# Altium PCB LimeSDR_Mini_1v2_Rounded.PcbDoc (part 4 of 5)
Units mm, origin at the board's own origin, x right, y up, seen from the top; angles counter-clockwise.
Board outline 69 x 31.37 mm, 8 copper layers (Top, L2, L3, L4, L5, L6, L7, Bottom), stack 1.555 mm thick; 411 components, 285 nets, 1759 pads, 802 vias.
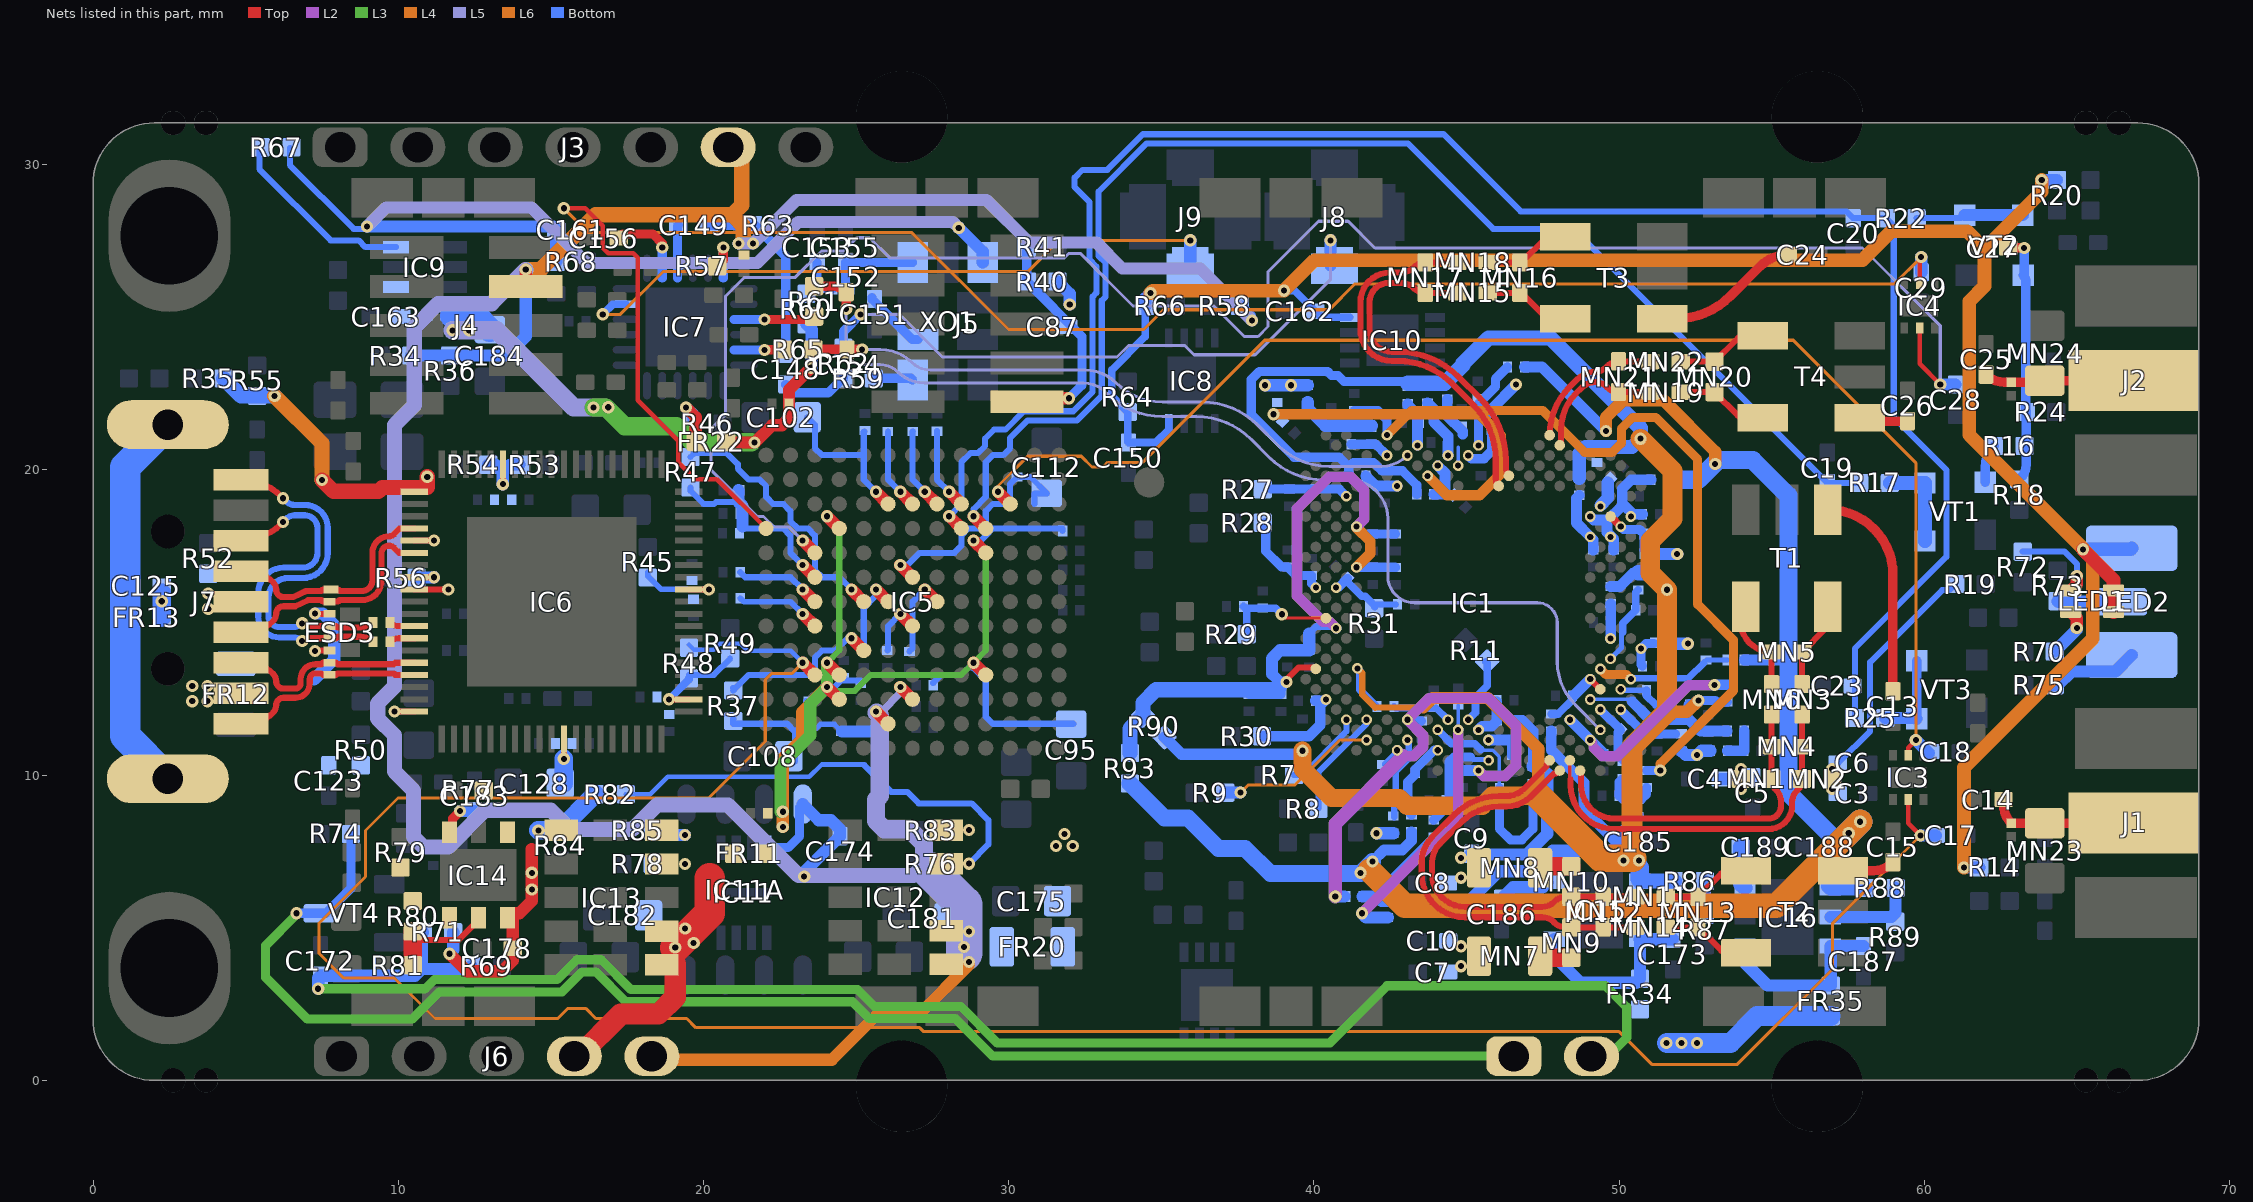
[diagram p10: the nets of this part, all layers, seen from the top]

## Via types
v1: diameter 0.4, hole 0.2, Top to Bottom, tented both sides, 569 vias
v2: diameter 0.4, hole 0.2, Top to Bottom, tented top, 112 vias
v3: diameter 0.35, hole 0.2, Top to Bottom, tented top, 79 vias
v4: diameter 0.5, hole 0.2, Top to Bottom, tented bottom, 25 vias
v5: diameter 0.35, hole 0.2, Top to Bottom, tented both sides, 9 vias
v6: diameter 0.5, hole 0.2, Top to Bottom, tented both sides, 8 vias

## Nets (pads, with @x,y where several pads share a name; then routed paths per layer and width w, separated by ;. In a path a pad name is that pad's centre, name@x,y a point inside that pad or via, vN(x,y) a via of type N, cw(c..) or ccw(c..) an arc to the next point about the centre after c; other vN are vias at no path point) (continued)
NetC27_2: C27.2 R16.1 R18.2 R24.2 VT2.2 | length 8.2
  Top w0.309: C27.2@62.75,27.275 v1(63.275,27.275)
  Bottom w0.309: R18.2@63.162,19.737 ccw(c62.74,20.16) 63.337,20.16 R24.2@63.337,21.937 ; VT2.2@63.25,26.375 cw(c63.069,26.194) VT2.2@63.275,26.346 ; v1(63.275,27.275) VT2.2@63.275,26.346 ; R24.2@63.325,21.9 63.325,26.194 ccw(c63.069,26.194) VT2.2@63.275,26.346
NetC30_1: C30.1 IC1.D24 R26.1 | length 2.7
  Bottom w0.22: R26.1@42.631,8.631 C30.1@42.631,9.146 ; C30.1@42.681,9.146 42.681,10.126 43.114,10.559 43.114,11.098 v3(43.062,11.15)
NetC31_1: C31.1 C32.1 IC1.W31 R31.2 | length 2.6
  Bottom w0.2: R31.2@42.001,15.521 42.076,15.596 C32.1@42.696,15.596
  Bottom w0.25: C31.1@41.099,16.448 41.099,16.343 41.575,15.866 41.681,15.866 42.001,15.546 R31.2@42.001,15.521
  Bottom w0.3: v3(40.731,16.145) 40.796,16.145 C31.1@41.099,16.448
NetC33_1: C33.1 C34.1 IC1.H32 R30.2 | length 3.2
  Bottom w0.35: R30.2@38.3,11.278 C33.1@39.625,11.278 39.841,11.278 40.206,11.642 40.206,12.29 40.357,12.441 C34.1@40.05,12.441
  other v5: 40.398,12.482
NetC35_1: C35.1 C36.1 IC1.T32 R29.2 | length 3.7
  Top w0.11: v1(38.951,15.271) 39.073,15.149 IC1.T32@40.395,15.149
  Bottom w0.25: C36.1@37.696,15.526 C36.1@37.747,15.475 ; R29.2@37.801,14.671 37.801,15.421 C36.1@37.747,15.475 ; v1(38.951,15.271) 38.747,15.475 C35.1@38.325,15.475 C36.1@37.747,15.475
NetC37_1: C37.1 C38.1 IC1.W33 R28.2 | length 3.2
  Bottom w0.3: R28.2@38.422,18.275 38.422,17.341 38.938,16.825 39.142,16.825 C38.1@39.146,16.821 39.426,16.541 C37.1@39.926,16.541 39.926,16.284 v3(40.065,16.145)
NetC39_1: C39.1 C40.1 IC1.AH30 R27.2 | length 2.6
  Bottom w0.3: R27.2@38.601,19.371 40.835,19.371 v3(41.064,19.142)
NetC41_1: C41.1 FR1.1 IC1.G3 | length 2.1
  Bottom w0.3: v3(50.055,12.149) 50.055,12.134 50.837,11.351 51.851,11.351
NetC42_1: C42.1 FR8.1 IC1.E21 | length 7.6
  Bottom w0.11: 45.472,10.84 45.498,10.814 45.863,10.814 46.08,10.597 ; 46.056,10.621 46.08,10.597 ; C42.1@46.08,9.575 46.08,10.597
  Bottom w0.25: v3(44.061,11.483) 44.509,11.034 45.278,11.034 45.472,10.84
  Bottom w0.3: C42.1@46.08,9.575 46.08,8.244 46.444,7.88 46.816,7.88 47.175,8.239 FR8.1@47.175,9.72
NetC43_1: C43.1 FR7.1 IC1.D16 | length 1.3
  Bottom w0.35: v3(45.725,11.153) FR7.1@46.603,11.153 ; C43.1@46.503,10.657 FR7.1@46.503,11.078
NetC44_1: C44.1 FR6.1 IC1.E17 | length 1.4
  Bottom w0.35: v3(45.393,11.483) 45.513,11.603 45.828,11.603 45.995,11.77 C44.1@45.995,12.4
NetC45_1: C45.1 FR5.1 IC1.AK22 | length 11.9
  L6 w0.35: v1(38.675,21.825) 45.425,21.825 46.125,21.125 46.125,19.875 45.425,19.175 44.361,19.175 v3(43.728,19.808)
NetC46_1: C46.1 FR4.1 IC1.AM18 | length 1.6
  Bottom w0.31: v3(45.06,20.474) 45.163,20.371 45.576,20.371 45.826,20.621 FR4.1@45.826,21.266
NetC47_1: C47.1 FR3.2 IC1.AE3 IC1.AF4 | length 1.9
  Top w0.25: IC1.AF4@49.722,18.476 v3(50.055,18.143)
  Bottom w0.3: v3(50.055,18.143) 50.148,18.05 50.67,18.05 C47.1@50.82,17.9 FR3.2@50.82,17.375
NetC48_1: C48.1 FR2.2 IC1.N1 | length 1.1
  Bottom w0.3: C48.1@50.771,13.571 50.721,13.621 v3(50.721,14.147) 50.883,14.309 FR2.2@51.144,14.309
NetC49_1: C49.1 FR10.1 IC1.AM26 | length 1.3
  Bottom w0.3: C49.1@41.226,20.841 FR10.1@41.876,20.841 42.029,20.841 v3(42.396,20.474)
NetC50_1: C50.1 FR9.2 IC1.H6 | length 4.9
  Bottom w0.11: v3(49.056,12.482) 50.358,12.482 50.432,12.408
  Bottom w0.35: 50.432,12.408 51.015,11.825 52.295,11.825 52.67,11.45 FR9.2@53.545,11.45
NetC51_1: C51.1 FR10.2 R33.2 | length 2.5
  Bottom w0.4: R33.2@39.801,22.216 39.801,22.021 40.371,21.451 FR10.2@41.901,21.451
NetC52_1: C52.1 FR9.1 R32.1 | length 1.2
  Bottom w0.35: R32.1@53.555,10.8 C52.1@54.095,10.8 54.105,10.81 FR9.1@54.105,11.45
NetC53_1: C53.1 C54.1 C60.1 C61.1 C62.1 C63.1 C64.1 C65.1 IC1.AA29 IC1.AE29 IC1.L33 IC1.R31 R90.2 R93.2 | length 26.4
  Top w0.2: v1(39.1,13.053) 39.1,13.128 39.495,13.523 40.065,13.523 IC1.L33@40.065,13.481
  L2 w0.35: v3(40.731,14.813) 40.519,15.025 40.3,15.025 39.45,15.875 39.45,18.725 40.5,19.775 41.2,19.775 41.65,19.325 41.65,18.396 v3(41.397,18.143)
  L4 w0.35: v3(41.397,16.811) 41.847,17.261 41.847,17.663 41.397,18.113 v3(41.397,18.143)
  Bottom w0.23: 39.851,14.646 40.075,14.87 40.674,14.87 v3(40.731,14.813)
  Bottom w0.3: C60.1@37.875,12.653 C60.1@37.875,12.653 C61.1@38.926,12.651 38.926,12.879 v1(39.1,13.053) ; v3(41.397,16.811) 42.666,16.811 C65.1@42.676,16.801 ; v3(41.397,18.143) 41.639,17.901 C54.1@42.676,17.901
  Bottom w0.37: 38.625,13.315 38.887,13.053 v1(39.1,13.053)
  Bottom w0.4: 38.625,13.315 38.625,13.825 38.894,14.094 C63.1@39.851,14.094 39.851,14.646 ; C61.1@38.822,12.775 38.926,12.879
  Bottom w0.5: R93.2@33.975,10.725 33.975,11.525 R90.2@34.4,11.95 34.4,12.372 34.828,12.8 38.797,12.8 C61.1@38.822,12.775
NetC55_1: C55.1 C56.1 C57.1 FR44.1 IC1.A17 IC1.C25 IC1.F24 | length 16.6
  L2 w0.35: v3(42.729,10.817) 42.921,10.625 43.275,10.625 43.575,10.925 43.575,11.303 v3(43.062,11.816) ; v3(43.062,11.816) 43.772,12.525 45.725,12.525 46.625,11.625 46.625,10.325 46.275,9.975 45.569,9.975 v3(45.393,10.151)
  L2 w0.45: v1(40.7,6.025) 40.7,8.404 42.921,10.625
  Bottom w0.25: C57.1@42.351,10.351 42.729,10.729 v3(42.729,10.817)
  Bottom w0.3: v3(43.062,11.816) 43.098,11.78 C56.1@43.525,11.78
  Bottom w0.35: C55.1@44.879,10.151 v3(45.393,10.151)
  Bottom w0.4: v1(40.7,6.025) FR44.1@40.995,6.025
NetC58_2: C58.2 FR43.1 IC1.M4 | length 2.6
  Bottom w0.17: v3(49.722,13.814) 50.085,14.177 50.085,14.685 50.105,14.705
  Bottom w0.25: 50.125,14.685 50.125,14.98 C58.2@50.545,15.4 50.545,15.99 FR43.1@50.625,16.07
NetC59_1: C59.1 FR23.1 IC1.AL21 | length 1.4
  Bottom w0.35: FR23.1@43.93,19.2 44.3,19.2 44.3,19.902 v3(44.061,20.141)
NetC66_1: C66.1 FR37.1 IC1.P4 | length 1.1
  Bottom w0.35: v3(49.722,14.48) 49.725,14.483 C66.1@49.725,15 FR37.1@49.725,15.62
NetC67_1: C67.1 FR45.1 IC1.D6 IC1.F8 | length 7.3
  L2 w0.3: v3(49.056,11.15) 49.148,11.058 49.148,10.927 49.175,10.9
  L2 w0.35: 49.175,10.9 49.45,10.625 49.95,10.625 52.275,12.95 v1(53.125,12.95)
  Bottom w0.35: v3(48.39,11.816) v3(49.056,11.15) 49.474,10.732 C67.1@49.474,10.7 ; v1(53.125,12.95) 53.135,12.96 FR45.1@53.55,12.96
NetC68_1: C68.1 FR29.1 IC1.B16 | length 3.6
  Bottom w0.17: 45.125,10.6 45.214,10.511 45.699,10.511 v3(45.726,10.484)
  Bottom w0.2: v3(45.726,10.484) v3@45.768,10.442
  Bottom w0.3: FR29.1@43.925,8.53 44.43,9.035 44.43,9.175 44.43,10.435 44.595,10.6 45.125,10.6
NetC69_1: C69.1 FR28.1 IC1.E19 | length 9
  L2 w0.35: v1(41.575,5.475) 44.727,8.627 v3(44.727,11.483)
  Bottom w0.11: v3(44.727,11.483) C69.1@44.727,12.296
  Bottom w0.4: v1(41.575,5.475) 41.71,5.34 FR28.1@42.421,5.34
NetC70_2: C70.2 FR42.1 IC1.F20 | length 1.9
  Bottom w0.23: FR42.1@42.63,12.25 42.674,12.206 44.004,12.206 v3(44.394,11.816)
NetC71_1: C71.1 FR41.1 IC1.AJ25 | length 1.2
  Bottom w0.35: FR41.1@41.705,19.8 42.03,19.475 v5(42.729,19.475)
NetC72_1: C72.1 IC1.AP26 R92.1 | length 26.2
  L4 w0.3: v3(42.396,21.14) 43.206,21.95 47.5,21.95 48.875,20.575 49.775,20.575 50.075,20.875 50.075,21.35 50.45,21.725 51.2,21.725 52.575,20.35 52.575,15.6 53.75,14.425 53.75,12.775 51.35,10.375 v1(51.35,10.15)
  Bottom w0.3: C72.1@41.326,21.941 42.101,21.941 42.396,21.646 v3(42.396,21.14) ; R92.1@50.905,10.15 v1(51.35,10.15)
NetC73_1: C73.1 FR40.1 IC1.AN23 | length 1.5
  Bottom w0.35: FR40.1@43.075,22.17 43.075,22.131 43.395,21.811 v3(43.395,20.807)
NetC74_1: C74.1 FR26.1 IC1.AM20 | length 2
  Bottom w0.35: FR26.1@43.725,22.195 43.925,21.995 43.925,21.575 44.4,21.1 C74.1@44.4,20.903 ; v3(44.394,20.474) 44.394,20.901 C74.1@44.396,20.903
NetC75_1: C75.1 FR39.1 IC1.AL19 | length 2
  Bottom w0.11: v3(44.727,20.141) 44.726,20.746
  Bottom w0.35: FR39.1@44.375,22.32 44.375,21.766 44.876,21.265 44.876,21.17
NetC76_1: C76.1 FR38.1 IC1.AG5 | length 0.8
  Bottom w0.4: v3@49.389,18.834 49.633,19.078 49.633,19.58
  other v3: 49.389,18.809
NetC77_2: C77.2 FR25.1 IC1.AD6 | length 2.1
  Bottom w0.35: FR25.1@48.7,19.17 48.606,19.076 48.606,18.26 v3(49.056,17.81) 49.15,17.716 C77.2@49.15,17.38
NetC78_1: C78.1 FR36.1 IC1.J3 | length 2
  Bottom w0.18: v3(50.055,12.815) 50.092,12.778 C78.1@50.898,12.778
  Bottom w0.25: C78.1@50.898,12.778 50.898,12.602 51.2,12.3 FR36.1@51.745,12.3
NetC79_2: C79.2 FR24.1 IC1.J5 IC1.K6 | length 2.3
  Top w0.2: v3(49.056,13.148) IC1.J5@49.389,12.815
  Bottom w0.25: FR24.1@47.775,12.005 48.005,12.005 48.475,12.475 C79.2@48.475,12.6
  Bottom w0.35: C79.2@48.475,12.6 48.508,12.6 v3(49.056,13.148)
NetC80_1: C80.1 IC1.G5 R91.1 | length 2
  Bottom w0.3: v3(49.389,12.149) C80.1@50.053,11.485 49.969,11.401 49.969,10.661 R91.1@50.125,10.505
NetC81_1: C81.1 FR30.1 IC1.K2 IC1.L5 | length 4.5
  L6 w0.3: v3(49.389,13.481) 49.57,13.3 50.236,13.3 v3(50.388,13.148)
  Bottom w0.17: C81.1@52.795,13.695 52.875,13.775 FR30.1@53.545,13.775
  Bottom w0.2: v3(50.388,13.148) v3@50.393,13.153
  Bottom w0.22: v3@50.393,13.178 52.278,13.178 C81.1@52.795,13.695
NetC82_1: C82.1 FR33.1 IC1.C21 | length 2.6
  Bottom w0.3: FR33.1@43.2,8.705 43.075,8.83 43.075,9.775 43.32,10.02 C82.1@43.32,10.075 43.32,10.194 43.943,10.817 v3(44.061,10.817)
NetC83_1: C83.1 C84.1 C85.1 FR32.1 IC1.AD4 IC1.AF2 IC1.AF6 | length 4.8
  Bottom w0.35: v3(49.056,18.476) 49.173,18.359 49.635,18.359 ; C85.1@49.825,17.38 49.825,17.737 49.605,17.957 49.605,18.329 49.635,18.359 ; C84.1@50.77,18.55 50.462,18.55 50.18,18.832 50.108,18.832 ; FR32.1@51.045,19.675 50.4,19.675 50.108,19.383 C83.1@50.108,19.142 50.108,18.832 ; 49.635,18.359 50.108,18.832
  other v3: 49.722,17.81 50.388,18.476
NetC86_1: C86.1 FR31.1 IC1.AN17 | length 3
  Bottom w0.3: v3(45.393,20.807) 45.393,22.169 45.95,22.726 45.95,22.98 FR31.1@46.345,23.375
NetC87_2: C87.2 J5.10 R40.2 R41.2 | length 7.3
  Top w0.4: J5.10@30.6,22.2 30.75,22.35 v1(31.975,22.35)
  Bottom w0.3: R41.2@30.594,27.291 30.594,26.181 R40.2@30.6,26.175 32.4,24.375 32.4,22.775 v1(31.975,22.35)
NetC125_1: C125.1 FR13.2 J7.10 | length 12.8
  Bottom w1: J7.10@2.45,9.885 1.05,11.285 1.05,20.085 J7.10@2.45,21.485
NetC148_1: C148.1 C149.2 R63.2 | length 6.1
  Bottom w0.309: C149.2@20.175,28.025 R63.2@21.625,28.025 21.668,28.025 22.7,26.993 C148.1@22.7,23.8
NetC148_2: C148.2 R59.2 R62.2 | length 2.2
  Bottom w0.309: C148.2@22.7,22.8 22.975,22.525 24.09,22.525 24.568,23.003 R62.2@24.588,23.003
NetC149_1: C149.1 IC7.21 | length 1.8
  Bottom w0.3: IC7.21@19.15,26.285 IC7.21@19.15,26.61 19.15,28 C149.1@19.175,28.025
NetC151_2: C151.2 XO1.7 | length 2.1
  Bottom w0.3: C151.2@25.525,25.65 25.525,25.596 26.846,24.275 XO1.7@27.025,24.275
NetC153_2: C153.2 FR15.1 R60.1 | length 1.4
  Bottom w0.3: C153.2@23.725,26.8 23.725,25.95 FR15.1@24.245,25.95
NetC155_2: C155.2 FR15.2 XO1.9 | length 3.1
  Bottom w0.3: FR15.2@24.805,25.95 24.65,26.105 C155.2@24.65,26.8 XO1.9@26.85,26.8
NetC156_2: C156.2 IC7.20 | length 2.7
  Top w0.3: C156.2@17.225,27.6 17.36,27.735 18.336,27.735 18.65,27.421 v1(18.65,27.285)
  Bottom w0.3: IC7.20@18.65,26.285 IC7.20@18.65,26.61 v1(18.65,27.285)
NetC163_1: C163.1 FR17.2 IC9.4
NetC172_1: C172.1 J10.2 R69.2 R71.2 | length 54.6
  L3 w0.3: v1(7.375,3) 10.884,3 11.184,3.3 15.2,3.3 15.85,3.95 16.65,3.95 17.625,2.975 25.05,2.975 25.6,2.425 28.425,2.425 29.625,1.225 40.525,1.225 42.4,3.1 49.55,3.1 50.25,2.4 50.25,1.4 49.645,0.795 J10.2@49.096,0.795
  Bottom w0.4: v1(7.375,3) 7.375,3.35 C172.1@7.45,3.425 10.545,3.425 10.77,3.65 ; R71.2@10.8,4.85 10.77,4.82 10.77,3.65 ; R69.2@12.4,3.75 12.3,3.65 10.77,3.65
NetC173_2: C173.2 FR34.2 IC15.1 IC15.6 | length 6
  Bottom w0.4: IC15.1@47.875,4.625 47.875,4.067 48.742,3.2 FR34.2@50.556,3.2 ; FR34.2@50.686,3.33 50.686,4.614 IC15.6@50.675,4.625 51.756,4.625 C173.2@51.761,4.63
NetC183_2: C183.2 IC14.3 | length 1.3
  Top w0.3: IC14.3@11.675,8.125 11.775,8.225 11.775,8.575 v1(12.025,8.825)
  Bottom w0.4: v1(12.025,8.825) C183.2@12.5,8.825
NetC186_2: C186.2 IC15.3 | length 1.7
  Bottom w0.4: C186.2@46.15,5.95 46.525,6.325 47.5,6.325 IC15.3@47.65,6.475
NetC187_2: C187.2 FR35.2 IC16.1 IC16.6 | length 6.1
  Bottom w0.4: IC16.1@54.125,4.4 54.125,3.842 54.861,3.105 FR35.2@56.936,3.105 56.936,4.389 IC16.6@56.925,4.4 C187.2@58.006,4.4 C187.2@58.011,4.405
NetC189_2: C189.2 IC16.3 | length 1.4
  Bottom w0.5: C189.2@53.986,7.655 53.986,6.438 IC16.3@54.125,6.3
NetC190_2: C190.2 FR27.1 R91.2 R92.2 | length 1.9
  Bottom w0.3: R91.2@50.125,9.895 50.005,9.775 C190.2@50.005,9.325 50.125,9.205 FR27.1@50.625,9.205 50.73,9.205 50.9,9.375 R92.2@50.9,9.595
NetIC1_D28: IC1.D28 R9.1 | length 5.3
  L4 w0.1: v1(37.6,9.428) 37.847,9.675 39.375,9.675 40.85,11.15 v3(41.73,11.15)
  Bottom w0.4: R9.1@37.1,9.428 v1(37.6,9.428)
NetIC1_F18: IC1.F18 R11.1 | length 2.2
  Bottom w0.25: v3(45.06,11.816) 45.298,12.054 45.298,12.551 45.681,12.934 45.681,13.666 R11.1@45.63,13.718
NetIC1_F28: IC1.F28 R8.1 | length 3.6
  Bottom w0.2: R8.1@40.15,8.903 40.15,10.1 41.73,11.68 v3(41.73,11.816)
NetIC1_F30: IC1.F30 R7.1 | length 2.7
  Bottom w0.2: R7.1@39.35,10.003 39.628,10.003 41.064,11.439 v3(41.064,11.816)
NetIC5_E5: IC5.E5 R37.2 | length 5.4
  Top w0.4: v2(24.85,14.485) IC5.E5@25.25,14.085
  Bottom w0.2: R37.2@20.975,12.775 21.484,13.285 23.416,13.285 23.65,13.519 23.65,13.851 23.884,14.085 24.322,14.085 24.722,14.485 v2(24.85,14.485) ; R37.2@20.975,12.85 R37.2@21.012,12.813
NetIC5_E7: IC5.E7 R47.2 | length 8.9
  Top w0.4: v2(24.85,16.085) IC5.E7@25.25,15.685
  Bottom w0.2: R47.2@19.575,20.425 19.7,20.55 20.766,20.55 21.125,20.191 21.125,20.044 21.484,19.685 21.84,19.685 22.05,19.475 22.05,19.119 22.284,18.885 22.616,18.885 22.85,18.651 22.85,18.319 23.084,18.085 23.416,18.085 23.65,17.851 23.65,16.719 23.884,16.485 24.45,16.485 v2(24.85,16.085)
NetIC6_27: IC6.27 R56.2 | length 1.2
  Top w0.2: IC6.27@10.525,16.485 v1(11.175,16.485)
  Bottom w0.4: R56.2@10.6,16.475 11.165,16.475 v1(11.175,16.485)
NetIC7_3: IC7.3 R61.2 | length 2.6
  Top w0.3: v1(22,24.935) 23.408,24.935 ccw(c23.408,25.242) R61.2@23.625,25.025
  Bottom w0.3: IC7.3@21,24.935 IC7.3@21.325,24.935 v1(22,24.935)
NetIC7_5: IC7.5 R65.2 | length 1.6
  Top w0.309: v1(22,23.935) 22.564,23.935 ccw(c22.564,23.986) R65.2@22.6,23.95
  Bottom w0.3: IC7.5@21,23.935 IC7.5@21.325,23.935 v1(22,23.935)
NetIC7_24: IC7.24 R57.1 | length 1.7
  Top w0.3: R57.1@20.45,26.675 20.65,26.875 v1(20.65,27.285)
  Bottom w0.3: IC7.24@20.65,26.285 IC7.24@20.65,26.61 v1(20.65,27.285)
NetIC9_6: IC9.6 R67.2 | length 6.2
  Bottom w0.2: R67.2@5.45,30.55 5.45,29.859 7.784,27.525 8.7,27.525 8.925,27.3 IC9.6@9.925,27.3
NetIC12_11: IC12.11 R83.2
  other v1: 28.701,8.2
NetIC13_1: IC13.1 R82.1 R84.2 | length 2.4
  Bottom w0.6: v1(14.588,8.19) 15.265,8.19 R82.1@16.45,9.375
NetIC13_10: IC13.10 R78.1
  other v1: 19.39,7.09
NetIC13_11: IC13.11 R85.2 | length 1.1
  Bottom w0.4: R85.2@18.339,8.19 18.489,8.04 v1(19.39,8.04)
NetIC14_4: IC14.4 R79.1 R80.2
NetIC14_5: IC14.5 R80.1 R81.1 | length 3.5
  Top w0.2: R80.1@10.6,4.6 11.984,4.6 12.625,5.241 IC14.5@12.625,5.325
  Top w0.6: R81.1@10.475,3.775 R80.1@10.475,4.875
NetIC15_5: IC15.5 R86.1 R87.2 | length 3
  Bottom w0.4: IC15.5@50.675,5.575 52.667,5.575 52.811,5.72 R86.1@52.811,6.53
NetIC16_5: IC16.5 R88.1 R89.2 | length 3
  Bottom w0.4: IC16.5@56.925,5.35 58.917,5.35 59.061,5.495 R88.1@59.061,6.305
NetJ7_7: J7.7 R52.2
  other v1: 3.775,15.45 3.775,15.95
NetJ10_1: J10.1 R74.2 VT4.D | length 49.6
  L3 w0.3: v1(6.661,5.475) 6.661,5.425 5.65,4.414 5.65,3.375 7.015,2.01 10.46,2.01 11.35,2.9 15.366,2.9 16.016,3.55 16.484,3.55 17.459,2.575 24.884,2.575 25.434,2.025 28.25,2.025 29.48,0.795 J10.1@46.554,0.795
  Bottom w0.3: v1@6.711,5.475 VT4.D@7.4,5.475 7.625,5.475 8.45,6.3 R74.2@8.45,8.075
NetLED1_3: LED1.3 R70.1 | length 1.7
  Top w0.4: LED1.3@64.8,15.35 65,15.15 v1(65,14.825)
  Bottom w0.4: R70.1@64.275,14.05 65,14.775 v1(65,14.825)
NetLED1_4: LED1.4 R72.1 | length 2.9
  Top w0.4: LED1.4@64.8,16.05 65,16.25 v1(65,16.525)
  Bottom w0.2: R72.1@63.225,17.325 64.598,17.325 65,16.923 v1(65,16.525)
NetLED2_C1: LED2.C1 R75.1 | length 3.1
  Bottom w0.4: R75.1@64.15,12.95 64.375,12.95 64.825,13.4 66.265,13.4 LED2.C1@66.8,13.935
NetLED2_C2: LED2.C2 R73.1 | length 1.9
  Bottom w0.4: R73.1@64.375,15.7 64.39,15.685 LED2.C2@66.3,15.685
NetMN7_1: MN7.1 MN9.2 | length 1
  Top w0.6: MN7.1@47.412,4.067 47.464,4.015 MN9.2@48.435,4.015
NetMN8_1: MN8.1 MN10.2 | length 1
  Top w0.6: MN8.1@47.412,6.967 47.46,7.015 MN10.2@48.435,7.015
NetR16_2: R16.2 VT1.2 | length 1.3
  Bottom w0.309: VT1.2@62,19.6 62,20.093 cw(c62.982,20.093) R16.2@62.287,20.787
NetR17_1: R17.1 VT1.3 VT1.4 | length 3
  Bottom w0.45: R17.1@58.875,19.575 VT1.3@60.025,19.575 VT1.4@60.025,17.675
NetR22_2: R22.2 VT2.3 VT2.4 | length 3.5
  Bottom w0.2: R22.2@59.75,28.25 61.225,28.25 VT2.4@61.325,28.35
  Bottom w0.4: VT2.4@61.325,28.35 VT2.3@63.225,28.35
NetR25_1: R25.1 VT3.3 VT3.4 | length 2.9
  Bottom w0.309: VT3.4@59.75,11.85 VT3.3@59.75,13.75
  Bottom w0.4: R25.1@58.725,11.875 59.725,11.875 VT3.4@59.75,11.85
NetR59_1: R59.1 XO1.6 | length 1.3
  Bottom w0.309: R59.1@25.575,23 26.8,23 XO1.6@26.85,22.95
PG_VCC1P8: IC12.10 R76.1 R82.2 | length 14.7
  Bottom w0.15: R82.2@17.45,9.375 18.25,9.375 18.825,9.95 23.47,9.95 23.87,10.35 25.25,10.35 25.275,10.325
  Bottom w0.2: 25.275,10.325 26.15,9.45 26.676,9.45 27.051,9.075 28.787,9.075 29.336,8.526 29.336,7.735 v1(28.701,7.1)
REF_CLK_IN: J8.1 R62.1 | length 20.7
  L5 w0.1: v1(25.15,25.1) 26.425,25.1 27.825,23.7 33.55,23.7 33.925,24.075 35.775,24.075 36.075,23.775 38.075,23.775 40.55,26.25 v1(40.55,27.525)
  Bottom w0.3: R62.1@24.588,24.002 24.588,24.538 v1(25.15,25.1)
  Bottom w0.4: J8.1@40.55,26.7 v1(40.55,27.525)
REF_CLK_OUT: IC7.17 J9.1 | length 22
  L6 w0.1: v1(16.7,25.1) 17.275,25.1 18.675,26.5 30.625,26.5 31.65,27.525 v1(35.95,27.525)
  Bottom w0.25: v1(16.7,25.1) 17.035,25.435 IC7.17@17.475,25.435
  Bottom w0.4: J9.1@35.95,26.7 v1(35.95,27.525)
RFSW_RX_V1: C29.2 IC4.5 IC5.A10 | length 63
  Top w0.15: v1(15.425,28.575) 16.125,28.575 16.7,28 16.7,27.275 16.875,27.1 17.7,27.1 17.85,26.95 17.85,22.285 19.175,20.96 19.175,20.25 19.725,19.7 20.435,19.7 IC5.A10@22.05,18.085 ; IC4.5@59.85,26.1 v1@59.85,26.975
  L4 w0.1: v1(15.425,28.575) 16.225,27.775 26.825,27.775 30,24.6 34.425,24.6 35.075,25.25 40.5,25.25 41.35,26.1 59.025,26.1 v1(59.9,26.975)
  Bottom w0.4: C29.2@59.9,26.475 v1(59.9,26.975)
RFSW_RX_V2: C28.2 IC4.2 IC5.C9 | length 61.1
  Top w0.15: IC4.2@59.85,24.65 59.85,23.475 v1(60.525,22.8)
  Top w0.4: v2(23.25,17.685) IC5.C9@23.65,17.285
  L5 w0.1: v2(23.25,17.685) 22.81,18.125 22.315,18.125 21.965,18.475 21.765,18.475 20.25,19.99 20.25,21.355 20.725,21.83 20.725,25.7 21.325,26.3 22.992,26.3 23.867,27.175 24.59,27.175 25.025,27.61 25.44,27.61 26.1,26.95 31.825,26.95 31.975,27.1 32.35,27.1 34.075,25.375 36.72,25.375 37.72,24.375 38.175,24.375 38.5,24.7 38.5,26.5 40.15,28.15 41.125,28.15 42,27.275 57.975,27.275 60.525,24.725 v1(60.525,22.8)
  Bottom w0.4: v1(60.525,22.8) C28.2@61.025,22.8
RFSW_TX_V1: C18.2 IC3.5 IC5.L11 | length 45.1
  Top w0.15: IC3.5@59.475,10.65 59.475,10.9 v1(59.725,11.15)